# Altium PCB GameBoard_V1I1.PcbDoc (part 3 of 22)
Units mil, origin at the board's own origin, x right, y up, seen from the top; angles counter-clockwise.
Board outline 7165.35 x 2814.96 mil, 12 copper layers (L1, L2, L3, L4, L5 (PWR), L6 (PWR), L7 (PWR), L8 (PWR), L9, L10, L11, L12), stack 61.575 mil thick; 1551 components, 1072 nets, 5467 pads, 3785 vias.
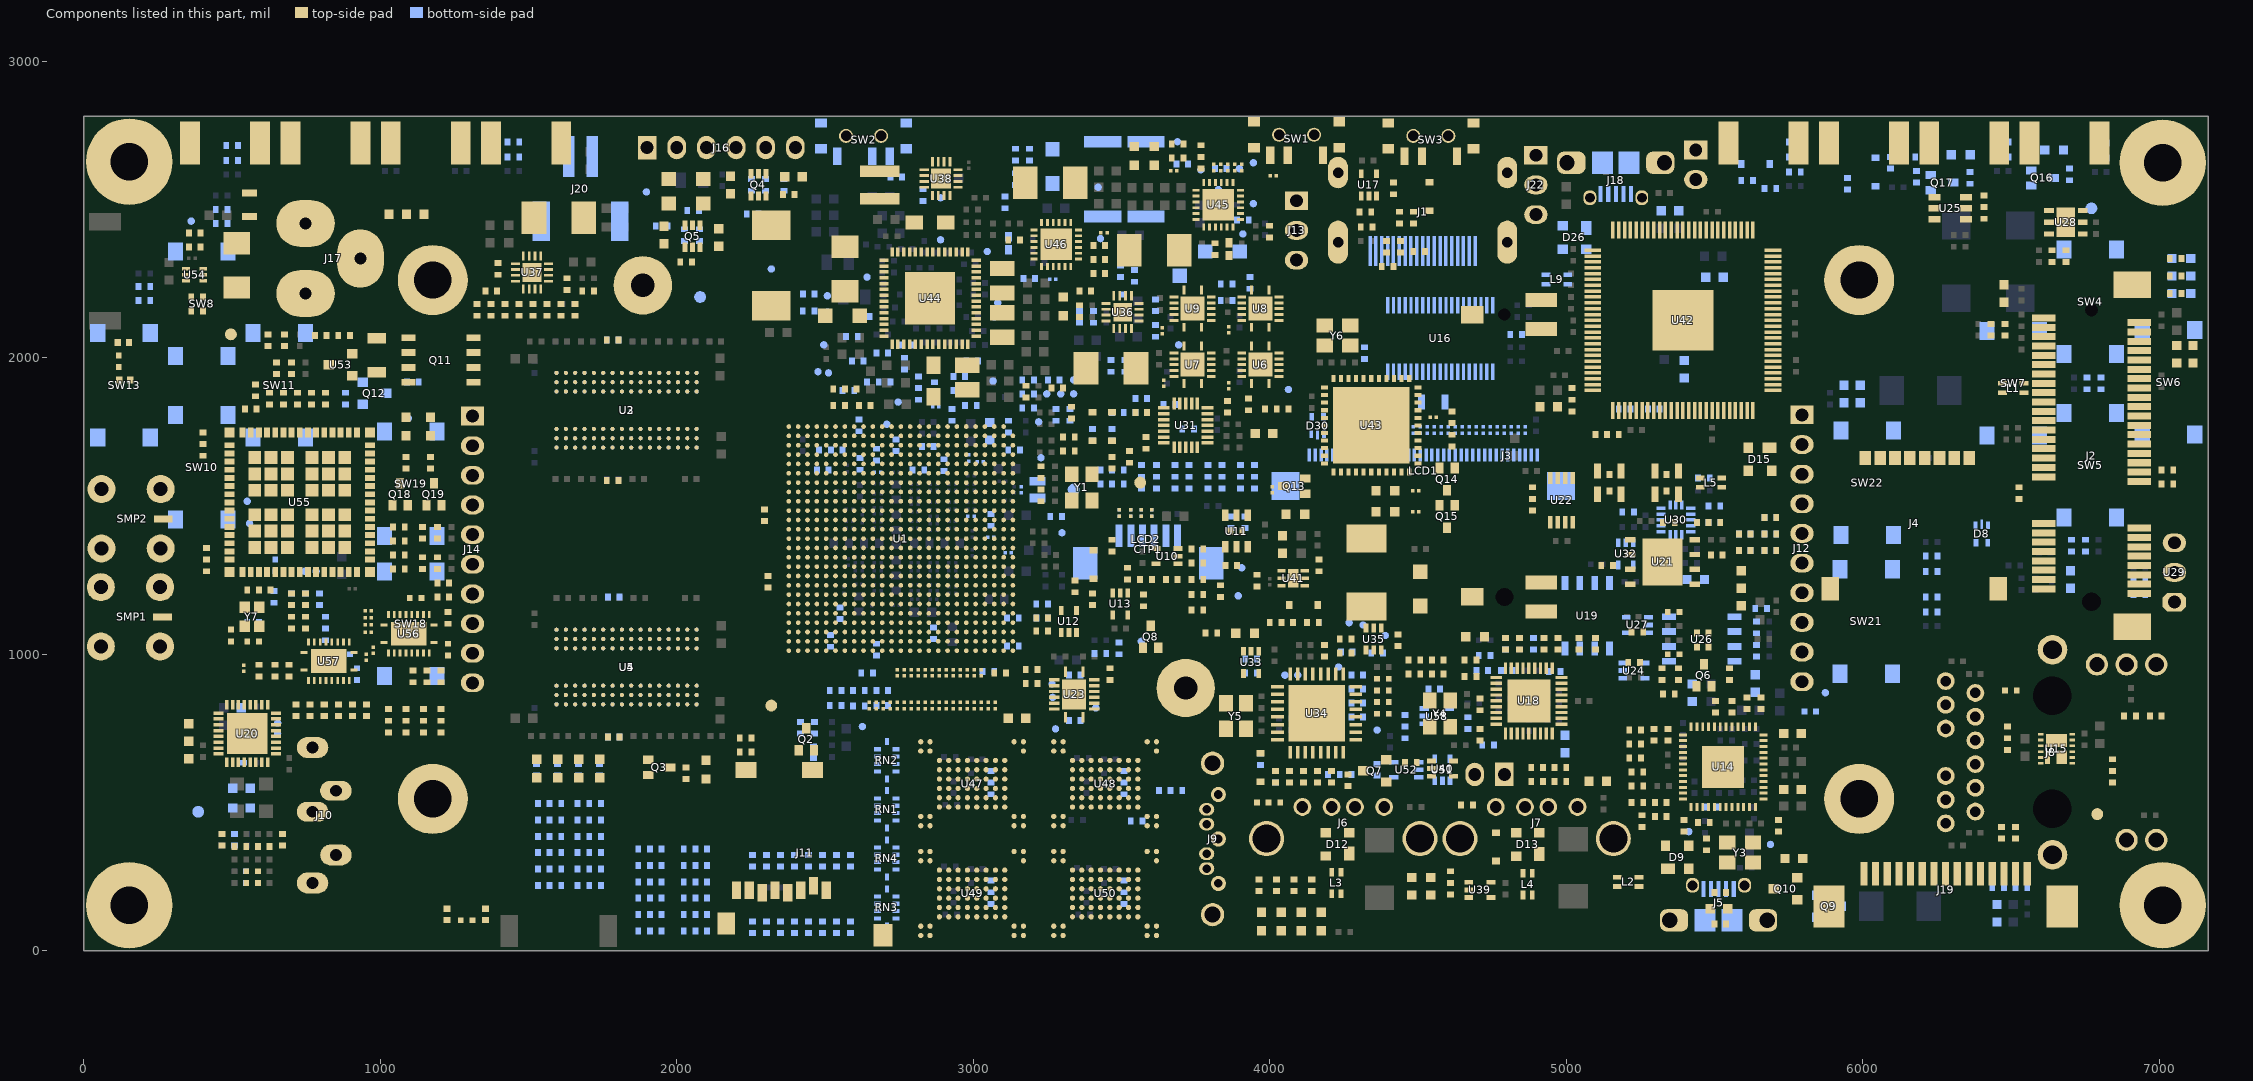
[diagram p13: the components of this part, seen from the top]

## Components (designator, comment, footprint, x,y, rotation, side; value= is the part's Value field where it differs from the comment) (continued)
C527 "1u" C0402 645.67,1299.21 r270 bottom value=1uF
C528 "100n" C0402 570.87,1043.31 r180 top value=100nF
C529 "100n" C0402 1228.35,1015.75 r270 top value=100nF
C530 "100n" C0402 1119.09,1188.98 r180 top value=100nF
C531 "100n" C0402 921.26,933.07 r270 bottom value=100nF
C532 "100n" C0402 877.95,1000 r180 bottom value=100nF
C533 "1pF" C0402 1291.34,102.36 r0 top
C534 "2.4pF" C0402 118.11,1988.19 r90 top
CR1 "Mini PCIe Card" "MINI_PCIE_FULL CARD" 6771.65,2259.84 r180 top locked
CR2 "Micro SIM Card" MICRO_SIM_CARD 5862.2,1118.11 r90 top
CR3 "Micro SD Card" MICRO_SD_CARD 2492.13,545.28 r0 top
CTP1 "0527930670" 522710479 3590.55,1259.84 r180 bottom locked
D1 "RB751V-40-TP" SOD323 3468.5,1767.72 r90 top
D2 "RB751V-40-TP" SOD323 3401.57,1767.72 r90 top
D3 "RB751V-40-TP" SOD323 3405.51,1303.15 r270 top locked
D4 "BAT54HT1G" SOD323 4539.37,2543.31 r90 top
D5 "Green" LED_0603 7074.8,2216.54 r0 bottom
D6 "Green" LED_0603 7074.8,2275.59 r0 bottom
D7 "Green" LED_0603 7074.8,2334.65 r0 bottom
D8 "BZA956A,115" SOT665 6401.57,1405.51 r270 bottom
D9 "BGX50AE6327" SOT143 5374.02,314.96 r90 top locked
D10 "PGB1010603MR" C0603 5515.75,141.73 r0 top
D11 "Orange" LED_0603 4692.91,1059.06 r180 top
D12 "BGX50AE6327" SOT143 4228.78,358.7 r180 top
D13 "BGX50AE6327" SOT143 4870.08,358.27 r180 top locked
D14 "Orange" LED_0603 2098.43,610.24 r90 top
D15 "BGX50AE6327" SOT143 5653.54,1657.48 r270 top locked
D16 "PGB1010603MR" C0603 2181.1,2582.68 r270 top
D17 "PGB1010603MR" C0603 2393.7,2610.24 r0 top
D18 "MBR140SFT1G" SOD-123FL 2031.5,2602.36 r180 top
D19 "MBR140SFT1G" SOD-123FL 2031.5,2519.68 r180 top
D20 "PGB1010603MR" C0603 2141.73,2405.51 r90 top
D21 "PGB1010603MR" C0603 1956.69,2413.39 r270 top
D22 "Orange" LED_0603 3917.32,1070.87 r0 top
D23 "RB751V-40-TP" SOD323 3968.5,618.11 r270 top
D24 "S8MC-13" SMC 2318.9,2311.02 r90 top locked
D25 "RB751V-40-TP" SOD323 4763.78,350.39 r90 top
D26 "BGX50AE6327" SOT143 5027.56,2405.51 r180 bottom locked
D27 "MBR140SFT1G" SOD-123FL 4507.87,1220.47 r270 top
D28 "1N4148WS" SOD323 4113.42,1165.35 r0 top
D29 "Green" LED_0603 4086.61,1472.44 r0 top
D30 "BZA956A,115" SOT665 4161.42,1771.65 r90 bottom
D31 "Red" LED_0603 4389.76,1551.18 r180 top
D32 "Green" LED_0603 4389.76,1480.31 r180 top
D33 "Red" LED_0603 4173.23,98.43 r270 top locked
D34 "Red" LED_0603 4106.3,98.43 r270 top
D35 "Red" LED_0603 4039.37,98.43 r270 top
D36 "Red" LED_0603 3972.44,98.43 r270 top
D37 "Red" LED_0603 1527.56,614.17 r90 top
D38 "Red" LED_0603 1598.43,614.17 r90 top
D39 "Red" LED_0603 1669.29,614.17 r90 top
D40 "Red" LED_0603 1740.16,614.17 r90 top
D41 "Green" LED_0603 6645.67,2700.79 r180 bottom
D42 "Orange" LED_0603 6330.71,2685.04 r180 bottom
D43 "RB751V-40-TP" SOD323 6043.31,2625.98 r90 bottom
D44 "RB751V-40-TP" SOD323 5637.8,2653.54 r180 bottom
D45 "MBR140SFT1G" SOD-123FL 2559.06,2141.73 r0 top
D46 "B130LAW-7-F" SOD-123FL 3840.7,2358.27 r180 bottom
D47 "ZLLS350TA" SOD-523 3862.2,2366.14 r90 top
D48 "B130LAW-7-F" SOD-123FL 3696.85,2334.65 r270 bottom
D49 "Green" LED_0603 3543.31,2681.1 r90 top
D50 "Green" LED_0603 3610.24,2681.1 r90 top
D51 "Red" LED_0603 3303.15,2173.23 r270 top
D52 "B130LAW-7-F" SOD-123FL 3267.72,2645.67 r90 bottom
D53 "ZLLS350TA" SOD-523 3118.11,2385.83 r270 bottom
D54 "Green" LED_0603 1086.61,1767.72 r90 top
D55 "Orange" LED_0603 1169.29,1767.72 r90 top
FB1 "220R, 2.5A" C0603 3055.12,1751.97 r270 bottom
FB2 "BLM15AX300SN1D 30R / 1.1A" C0402 6500,877.95 r0 top
FB3 "BLM18KG101TN1D" C0603 5637.8,901.57 r270 bottom
FB4 "BLM18KG101TN1D" C0603 5763.78,732.28 r180 top
FB5 "BLM15AX601SN1D" C0402 5822.83,807.09 r180 bottom
FB6 "BLM18KG101TN1D" C0603 5425.2,870.08 r270 bottom
FB7 "BLM18KG101TN1D" C0603 5763.78,543.31 r180 top
FB8 "220R, 2.5A" C0603 6476.38,2216.54 r270 top
FB9 "220R, 2.5A" C0603 6700.79,1251.97 r270 bottom
FB10 "220R, 2.5A" C0603 7114.17,2011.81 r90 top
FB11 "220R, 2.5A" C0603 7059.06,2011.81 r90 top
FB12 "MPZ1608S601A 600OHM/1A" C0603 4996.06,696.85 r90 bottom
FB13 "MPZ1608S601A 600OHM/1A" C0603 4543,217 r90 top
FB14 "MPZ1608S601A 600OHM/1A" C0603 4479,217 r90 top
FB15 "MPZ1608S601A 600OHM/1A" C0603 5106.3,570.87 r0 top
FB16 "MPZ1608S601A 600OHM/1A" C0603 531.5,547.24 r180 bottom
FB17 "MPZ1608S601A 600OHM/1A" C0603 354.33,677.17 r90 top
FB18 "MPZ1608S601A 600OHM/1A" C0603 354.33,736.22 r90 top
FB19 "MPZ1608S601A 600OHM/1A" C0603 530.71,789.8 r90 bottom
FB20 "MPZ1608S601A 600OHM/1A" C0603 531.5,481.3 r180 bottom
FB21 "BLM15AX601SN1D" C0402 548.15,248.19 r270 top
FB22 "BLM15AX601SN1D" C0402 587.52,248.19 r270 top
FB23 "BLM15AX601SN1D" C0402 547.24,248.03 r270 bottom
FB24 "220R, 2.5A" C0603 5590.55,1192.91 r270 top
FB27 "220R, 2.5A" C0603 5992.13,1877.95 r90 bottom
FB28 "220R, 2.5A" C0603 5590.55,1251.97 r90 top
FB31 "220R, 2.5A" C0603 5937.01,1877.95 r90 bottom
FB32 "BLM15AX601SN1D" C0402 5362.2,1000 r180 top
FB33 "BLM15AX601SN1D" C0402 5362.2,1141.73 r180 top
FB34 "MPZ1608S601A 600OHM/1A" C0603 3980.31,1744.09 r180 top
FB35 "MPZ1608S601A 600OHM/1A" C0603 5437.01,1251.97 r180 bottom
FB36 "BLM15AX601SN1D" C0402 4015.75,500 r180 top
FB37 "BLM15AX601SN1D" C0402 3976.38,500 r0 top
FB38 "120R, 1.3A" C0402 4381.89,799.21 r0 top
FB39 "120R, 1.3A" C0402 4381.89,838.58 r0 top
FB40 "120R, 1.3A" C0402 4381.89,877.95 r0 top
FB41 "120R, 1.3A" C0402 4381.89,917.32 r0 top
FB42 "220R, 2.5A" C0603 5767.72,311.02 r180 top locked
FB43 "MPZ1608S601A 600OHM/1A" C0603 4043.31,1370.08 r90 top
FB44 "220R, 2.5A" C0603 5350.39,2496.06 r180 bottom
FB45 "220R, 2.5A" C0603 5500,2271.65 r0 bottom
FB46 "220R, 2.5A" C0603 5397.64,1961 r90 bottom
FB47 "220R, 2.5A" C0603 4940.94,1834.65 r0 top
FB48 "220R, 2.5A" C0603 6452.76,125.98 r90 bottom
FB49 "MPZ1608S601A 600OHM/1A" C0603 3147.64,783.46 r0 top
FB50 "MPZ1608S601A 600OHM/1A" C0603 1059.06,2484.25 r0 top
FB51 "MPZ1608S601A 600OHM/1A" C0603 1118.11,2484.25 r180 top
FB52 "120R, 1.3A" C0402 496.06,1062.99 r90 top
FID1 "FID_1MM_SMALL" FID_40X52D 2330.71,838.58 r90 top
FID2 "FID_1MM_SMALL" FID_40X52D 6803.15,472.44 r90 top
FID3 "FID_1MM_SMALL" FID_40X52D 3574.8,1590.55 r90 top
FID4 "FID_1MM_SMALL" FID_40X52D 507.87,2090.55 r90 top
FID5 "FID_1MM_SMALL" FID_40X52D 374.02,480.32 r90 bottom
FID6 "FID_1MM_SMALL" FID_40X52D 3326.77,1566.93 r90 bottom
FID7 "FID_1MM_SMALL" FID_40X52D 6759.84,2515.75 r90 bottom
FID8 "FID_1MM_SMALL" FID_40X52D 2066.93,2216.54 r90 bottom
J1 "47151-0001" "HDMI V1.1" 4515.75,2492.13 r90 bottom
J2 "MM60-52B1-E1-R650" MINI_PCIE_52PIN_CARD_CON 6771.65,1177.17 r180 top locked
J3 "MM60-EZH059-B5-R650" MINI_PCIE_52PIN_CARD_LATCH 4791.34,1192.91 r180 top locked
J4 "693022010811" SIM_MICRO_HINGED 6173.23,1440.94 r180 top locked
J5 "USB MICRO AB" USB_MICRO_AB 5513.78,102.36 r90 bottom locked
J6 "UE27-AC54-100" USB-A 4248.03,489.76 r0 bottom locked
J7 "UE27-AC54-100" USB-A 4900.39,489.76 r0 bottom locked
J8 "L829-1J1T-43" L829-1J1T-43 6685.04,669.29 r90 bottom locked
J9 "0471554001" SATA_VERTICAL 3826.77,526.77 r90 top locked
J10 "SJ1-3535NG-GR" SJ1-3535NG 807.09,228.35 r90 bottom
J11 "693071010811" 693071010811 2433.07,330.71 r180 top locked
J12 "SSW-110-01-F-S" SSW-110-01-F-S 5795.28,1807.09 r180 bottom locked
J13 "TLW-103-06-T-S" HDR_1X3_2.54MM 4090.55,2529.13 r180 bottom
J14 "SSW-110-01-F-S" SSW-110-01-F-S 1311.02,1803.15 r180 bottom
J16 "HDR 1x6, 2.54mm" HDR_1X6_2.54MM 1900,2708.66 r270 bottom
J17 "PJ-002AH" POWER_JACK_5.5_2.1MM_NS_V1.1 748.03,2216.54 r180 bottom locked
J18 "USB MICRO AB" USB_MICRO_AB 5167.32,2657.48 r270 bottom locked
J19 "1-84952-5" ZIF_RA_BOTTOM_15X1MM 6279.53,204.72 r0 top locked
J20 "S2B-PH-SM4-TB" S2B-PH-SM4-TB 1836.61,2393.7 r180 bottom
J22 "TLW-103-06-T-S" HDR_1X3_2.54MM 4897.64,2682.68 r180 bottom
JP2 "HDR 1x2" HDR_1X2_2.54MM 4791.34,594.49 r90 bottom
JP3 "HDR 1x2" HDR_1X2_2.54MM 5437.01,2700.79 r0 top
L1 "ACM2012-900-2P-T002" ACM2012 6507.87,1897.64 r180 top
L2 "ACM2012-900-2P-T002" ACM2012 5208.66,232.28 r180 top
L3 "ACM2012-900-2P-T002" ACM2012 4224.41,228.35 r270 top
L4 "ACM2012-900-2P-T002" ACM2012 4870.08,224.41 r90 top locked
L5 "ACM2012-900-2P-T002" ACM2012 5488.19,1578.74 r180 top
L6 "1u" IHLP_204MILX216MIL 3464.57,1964.57 r180 top locked
L7 "1u" IHLP_204MILX216MIL 1602.36,2472.44 r0 top
L8 "2.2uH / 8A" XFL4020-222MEC 2685.04,2582.68 r270 top
L9 "ACM2012-900-2P-T002" ACM2012 4968.5,2263.78 r180 bottom
L10 "10uH" IHLP_255MILX255MIL 4326.77,1275.59 r270 top
L11 "1u / 3.9A" IHLP_118MILX144MIL 2866.14,1921.26 r270 top
L12 "1u / 3.9A" IHLP_118MILX144MIL 2854.33,2456.69 r180 top
L13 "1u / 2.6A" IFSC_79MILX98MIL 2980.32,1933.07 r90 top
L14 "1u / 2.6A" IFSC_79MILX98MIL 3098.43,2110.24 r270 top
L15 "1u / 2.6A" IFSC_79MILX98MIL 3098.43,2259.84 r90 top
L16 "2u2 / 2.75A" IHLP_160MILX175MIL 2566.93,2299.21 r270 top
L17 "1u" IHLP_204MILX216MIL 3610.24,2362.2 r180 top locked
L18 "1u" IHLP_204MILX216MIL 3259.84,2590.55 r0 top
L19 "2u2 / 2.75A" IHLP_160MILX175MIL 515.75,2311.02 r90 top
L20 "1.8nH" LQP_0402 1224.41,122.05 r90 top
L21 "1.3nH" LQP_0402 1354.33,122.05 r90 top
L22 "2.2nH" LQP_0402 137.8,1925.2 r0 top
L23 "1.8nH" LQP_0402 133.86,2051.18 r0 top
LCD1 "0541324062" 0541324062 4517.72,1612.2 r180 bottom locked
LCD2 "NHD-4.3-480272MB-ASXN-CTP" NHD-4.3-480272MB-ASXN-CTP 3582.68,1386.81 r180 bottom locked
MH1 "MH_7.4MMC_3.2MMD" MH_7.4MMD_3.2MMD 153.54,2661.42 r0 top
MH2 "MH_7.4MMC_3.2MMD" MH_7.4MMD_3.2MMD 7011.81,2657.48 r0 top
MH3 "MH_7.4MMC_3.2MMD" MH_7.4MMD_3.2MMD 153.54,153.54 r0 top
MH4 "MH_7.4MMC_3.2MMD" MH_7.4MMD_3.2MMD 7011.81,153.54 r0 top
MH5 "MH_5MMC_2MMD" MH_5MMD_2MMD 3716.54,885.83 r0 top locked
MH6 "MH_5MMC_2MMD" MH_5MMD_2MMD 1885.83,2244.09 r0 top locked
Q2 "2N7002BKW,115" SC70_SOT323 2437.01,712.6 r90 top
Q3 "2N7002BKW,115" SC70_SOT323 1940.95,618.11 r0 top
Q4 "2N7002BKS,115" SOT363 2275.59,2582.68 r90 top
Q5 "2N7002BKS,115" SOT363 2053.15,2409.45 r90 top
Q6 "2N7002BKW,115" SC70_SOT323 5464.57,929.13 r90 top
Q7 "MMBT3906,215" SOT-23-3-123 4354.33,606.3 r180 top locked
Q8 "2N7002BKW,115" SC70_SOT323 3598.43,1059.06 r90 top
Q9 "DMP2035U-7" SOT-23-3-123 5886.22,149.61 r0 bottom
Q10 "DMP2035U-7" SOT-23-3-123 5740.16,208.66 r180 top
Q11 "SI4425BDY-T1-E3" 8_SOIC_3.9MM 1204.72,1992.13 r0 top locked
Q12 "MMBT3906,215" SOT-23-3-123 980.32,1879.92 r0 bottom
Q13 "2N7002BKW,115" SC70_SOT323 4082.68,1566.93 r180 top
Q14 "2N7002BKW,115" SC70_SOT323 4598.43,1590.55 r270 top
Q15 "2N7002BKW,115" SC70_SOT323 4598.43,1464.57 r270 top
Q16 "2N7002BKW,115" SC70_SOT323 6606.3,2606.3 r0 bottom
Q17 "2N7002BKW,115" SC70_SOT323 6267.72,2590.55 r0 bottom
Q18 "2N7002BKW,115" SC70_SOT323 1066.93,1539.37 r90 top
Q19 "2N7002BKW,115" SC70_SOT323 1181.1,1539.37 r90 top
R1 "240R" R0402 1783.46,1586.61 r180 top
R2 "240R" R0402 1783.46,2059.06 r180 bottom
R3 "10k" R0402 2295.28,1468.5 r90 top
R4 "10k" R0402 2492.13,1622.05 r0 bottom
R5 "240R" R0402 2307.09,1244.09 r270 top
R6 "240R" R0402 1787.4,720.47 r180 top
R7 "240R" R0402 1787.4,1192.91 r180 bottom
R8 "240R" R0402 2460.63,669.29 r270 bottom
R9 "200R" R0402 1787.4,720.47 r180 bottom
R10 "200R" R0402 1783.46,2059.06 r180 top
R11 "240R" R0402 2464.57,751.97 r270 bottom
R12 "0R" R0402 2992.13,1838.58 r0 bottom
R13 "0R" R0402 3137.8,1688.98 r180 bottom
R14 "10k" R0402 6527.56,1543.31 r270 top
R15 "200R" R0402 3118.11,1767.72 r270 bottom
R16 "49R9" R0402 3322.83,1732.28 r180 top value=49.9R
R17 "49R9" R0402 3322.83,1685.04 r180 top value=49.9R
R18 "0R" R0402 2539.37,1688.98 r180 bottom
R19 "10k" R0402 2866.14,1070.87 r90 bottom
R20 "47k" R0402 4318.9,2015.75 r270 bottom
R21 "47k" R0402 3330.71,1814.96 r270 top
R22 "0R" R0402 2814.96,1622.05 r0 bottom
R23 "1k6" R0402 3283.46,1897.64 r180 top
R24 "0R" R0402 2547.24,1838.58 r0 top
R25 "0R" R0402 2952.76,1889.76 r0 bottom
R26 "4k99" R0402 3177.17,1885.83 r270 top
R27 "0R" R0402 2846.46,1700.79 r180 bottom
R28 "1k6" R0201 2874.02,1834.65 r0 bottom
R29 "0R" R0402 2952.76,1937.01 r180 bottom
R30 "10k" R0201 3862.2,1905.51 r90 top
R31 "10k" R0201 3641.73,1913.39 r90 top
R32 "0R" R0402 2618.11,1641.73 r270 bottom
R33 "10k" R0201 3862.2,2094.49 r90 top
R34 "100k" R0402 4003.94,1826.77 r0 top
R35 "100k" R0402 4043.31,1826.77 r180 top
R36 "10k" R0201 3637.8,2090.55 r90 top
R37 "22R" R0402 3232.28,1078.74 r0 top
R38 "0R" R0402 2551.18,1137.8 r270 bottom
R39 "0R" R0402 2929.13,1807.09 r90 bottom
R40 "0R" R0402 3059.06,1452.76 r270 bottom
R41 "191R" R0201 3118.11,1342.52 r180 bottom
R42 "22R" R0402 3051.18,940.94 r180 bottom
R43 "10k" R0201 952.76,989.57 r270 top
R44 "22R" R0402 2673.23,1015.75 r270 bottom
R45 "10k" R0402 3460.63,933.07 r90 top
R46 "10k" R0402 3566.93,1814.96 r0 bottom
R47 "10k" R0402 2641.73,937.01 r180 bottom
R48 "4k99" R0402 3090.55,937.01 r0 top
R49 "10k" R0402 3755.91,1149.61 r0 top
R50 "10k" R0402 3645.67,539.37 r180 bottom
R51 "10k" R0402 4433.07,1047.24 r90 top
R52 "10k" R0402 3232.76,1122.05 r0 bottom
R53 "10k" R0402 2232.28,716.54 r180 top
R54 "10k" R0402 2633.86,1838.58 r180 top
R55 "22R" R0402 3133.86,1122.05 r0 bottom
R56 "22R" R0402 3133.86,1027.56 r0 bottom
R57 "22R" R0402 2740.16,1704.72 r270 bottom
R58 "22R" R0402 2673.23,1673.23 r270 bottom
R59 "4k99" R0402 5602.36,1405.51 r180 bottom
R60 "4k99" R0402 5602.36,1350.39 r180 bottom
R61 "4k99" R0402 1212.6,1240.16 r180 top
R62 "4k99" R0402 1212.6,1192.91 r180 top
R63 "4k99" R0402 4614.17,1799.21 r90 top
R64 "4k99" R0402 4614.17,1720.47 r270 top
R65 "10k" R0402 5346.46,866.14 r0 top
R66 "10k" R0402 3279.53,1464.57 r0 bottom
R67 "22R" R0402 3326.77,1807.09 r90 bottom
R68 "100k" R0402 3468.5,1740.16 r90 bottom
R69 "100k" R0402 3401.57,1740.16 r90 bottom
R70 "10k" R0402 2535.43,826.77 r180 bottom
R71 "10k" R0402 2614.17,825 r0 bottom
R72 "10k" R0402 2692.91,827.49 r180 bottom
R73 "1k" R0402 2518.98,1044.94 r90 bottom
R74 "10k" R0402 2535.43,877.95 r0 bottom
R75 "10k" R0402 2614.17,877.95 r180 bottom
R76 "10k" R0402 2692.91,877.95 r0 bottom
R77 "10M" R0402 3228.35,1614.17 r90 top
R78 "10M" R0201 3161.42,1555.12 r270 bottom
R79 "2M2" R0402 3228.35,1535.43 r270 top
R80 "4k99" R0201 2992.13,1464.57 r180 bottom
R81 "4k99" R0402 3488.19,1574.8 r0 bottom
R82 "4k99" R0402 3488.19,1622.05 r0 bottom
R83 "0R" R0402 570.87,1216.54 r0 top
R84 "4k99" R0201 3059.06,1393.7 r180 bottom
R85 "10k" R0402 3448.82,1574.8 r0 bottom
R86 "10k" R0402 3448.82,1622.05 r0 bottom
R87 "10k" R0402 3755.91,1251.97 r0 top
R88 "10k" R0402 3669.29,1251.97 r180 top
R89 "10k" R0402 3574.8,1181.1 r270 top
R90 "4k99" R0402 3870.08,1444.88 r270 bottom
R91 "10k" R0402 3870.08,1299.21 r0 top
R92 "10k" R0402 3232.28,1169.29 r0 bottom
R93 "0R" R0402 3755.91,1307.09 r180 top
R94 "0R" R0402 3755.91,1354.33 r180 top
R95 "10k" R0402 3917.32,1444.88 r90 bottom
R96 "0R" R0402 3468.5,1366.14 r270 top
R97 "10k" R0402 3582.68,1251.97 r0 top
R98 "0R" R0402 3232.28,1122.05 r0 top
R99 "0R" R0402 3887.8,1415.35 r0 top
R100 "0R" R0402 3468.5,1645.67 r270 top
R101 "10k" R0402 3342.52,1228.35 r270 top
R102 "0R" R0402 3527.56,1665.35 r270 top
R103 "1k" R0201 2984.25,1661.42 r270 bottom
R104 "10k" R0402 3185.04,1830.71 r180 bottom
R105 "10k" R0402 3185.04,1925.2 r180 bottom
R106 "10k" R0402 3185.04,1877.95 r180 bottom
R107 "0R" R0402 3519.69,1271.65 r270 top
R108 "0R" R0402 3834.65,1212.6 r270 top
R109 "22R" R0402 3271.65,1925.2 r0 bottom
R110 "0R" R0402 3755.91,1200.79 r180 top
R111 "22R" R0402 3279.53,1807.09 r90 bottom
R112 "0R" R0402 3401.57,1185.04 r270 top
R113 "0R" R0402 2578.74,1889.76 r0 bottom
R114 "0R" R0402 2901.57,1637.8 r90 bottom
R115 "0R" R0402 3429.13,1002.95 r0 bottom
R116 "0R" R0402 3492.13,1019.68 r270 bottom
R117 "0R" R0402 6842.52,625.98 r270 top
R118 "0R" R0402 6842.52,586.61 r270 top
R119 "0R" R0402 6488.19,696.85 r90 top
R120 "220R" R0402 5610.24,834.65 r90 top
R121 "220R" R0402 5559.06,822.83 r90 top
R122 "0R" R0402 6488.19,736.22 r270 top
R123 "22R" R0402 5472.44,358.27 r270 top
R124 "22R" R0402 5240.16,602.36 r0 top
R125 "12k1" R0402 5716.54,421.26 r270 top
R126 "22R" R0402 5318.9,500 r0 top
R127 "22R" R0402 5318.9,452.76 r0 top
R128 "4k99" R0402 5240.16,500 r180 top
R129 "1k" R0402 5255.91,437.01 r270 top
R130 "4k99" R0402 5397.64,421.26 r270 top
R131 "10k" R0402 5488.19,484.25 r180 bottom
R132 "10k" R0402 5232.28,649.61 r180 top
R133 "10k" R0402 5503.94,822.83 r90 top
R134 "10k" R0402 5342.52,728.35 r90 top
R135 "10k" R0402 5295.28,728.35 r90 top
R136 "10k" R0402 5232.28,744.09 r180 top
R137 "10k" R0402 5232.28,696.85 r180 top
R138 "1k" R0402 5464.57,433.07 r0 top
R139 "1k" R0402 5240.16,555.12 r0 top
R140 "1k" R0402 5657.48,834.65 r270 top
R141 "0R" R0402 4830.71,2078.74 r0 bottom
R142 "0R" R0402 4437.01,2472.44 r90 top
R143 "0R" R0402 4440.94,2374.02 r270 top
R144 "0R" R0402 4393.7,2374.02 r270 top
R145 "15k" R0402 4326.77,2440.94 r0 top
R146 "4k99" R0402 4397.64,2307.09 r180 top
R147 "4k99" R0402 4503.94,2358.27 r0 top
R148 "27k" R0402 4484.25,2472.44 r270 top
R149 "47k" R0402 4322.83,2492.13 r180 top
R150 "0R" R0402 4417.32,2570.87 r90 top
R151 "10k" R0402 6933.07,1200.79 r180 bottom
R152 "0R" R0402 7027.56,1574.8 r180 top
R153 "0R" R0402 7027.56,1622.05 r180 top
R154 "330R" R0402 7055.12,2216.54 r180 top
R155 "330R" R0402 7055.12,2275.59 r180 top
R156 "330R" R0402 7055.12,2334.65 r180 top
R157 "0R" R0402 4901.57,570.87 r180 top
R158 "0R" R0402 5318.9,1606.3 r0 top
R159 "0R" R0402 5358.27,1606.3 r0 top
R160 "0R" R0402 4940.94,570.87 r0 top
R161 "0R" R0805_SMALL 5338.58,1618.11 r0 top
R162 "0R" R0402 4980.32,570.87 r180 top
R163 "0R" R0805_SMALL 5338.58,1539.37 r180 top
R164 "0R" R0402 4901.57,618.11 r180 top
R165 "0R" R0402 5318.9,1551.18 r0 top
R166 "0R" R0402 5358.27,1551.18 r0 top
R167 "0R" R0402 4940.94,618.11 r0 top
R168 "0R" R0402 4980.32,618.11 r180 top
R169 "0R" R0402 4566.93,933.07 r0 top
R170 "0R" R0402 4527.56,933.07 r180 top
R171 "0R" R0402 4488.19,933.07 r0 top
R172 "0R" R0402 4566.93,980.31 r0 top
R173 "10k" R0402 5519.69,196.85 r0 top
R174 "0R" R0402 4527.56,980.31 r180 top
R175 "0R" R0402 4488.19,980.31 r0 top
R176 "10k" R0402 5519.69,90.55 r180 top
R177 "0R" R0402 5165.35,1606.3 r180 top
R178 "0R" R0402 5125.98,1606.3 r180 top
R179 "0R" R0805_SMALL 5145.67,1618.11 r180 top
R180 "0R" R0805_SMALL 5145.67,1539.37 r0 top
R181 "0R" R0402 5165.35,1551.18 r180 top
R182 "0R" R0402 5125.98,1551.18 r180 top
R183 "100k" R0402 4724.41,996.06 r0 bottom
R184 "0R" R0402 4716.54,944.88 r180 bottom
R185 "100k" R0402 4799.21,944.88 r0 bottom
R186 "10k" R0402 4972.44,1035.43 r270 top
R187 "100k" R0402 4889.76,1035.43 r90 bottom
R188 "10k" R0402 4925.2,1035.43 r270 top
R189 "0R" R0402 4795.28,1035.43 r90 bottom
R190 "1k" R0402 4677.17,980.31 r0 top
R191 "100k" R0402 4795.28,1035.43 r270 top
R192 "100k" R0402 4842.52,1035.43 r270 top
R193 "12k" R0402 4708.66,728.35 r270 top
R194 "100k" R0402 4677.17,925.2 r0 top
R195 "100k" R0402 4960.63,940.94 r180 bottom
R196 "1M" R0402 4708.66,830.71 r270 top
R197 "10k" R0402 5098.43,1035.43 r90 top
R198 "10k" R0402 5043.31,1035.43 r90 top
R199 "0R" R0402 6901.57,791.34 r0 top
R200 "0R" R0402 6988.19,791.34 r180 top
R201 "0R" R0402 539.37,653.54 r90 bottom
R202 "15k" R0402 528.46,350.55 r0 top
R203 "15k" R0402 607.2,350.55 r180 top
R204 "33R" R0402 465.47,374.17 r90 top
R205 "33R" R0402 670.2,374.17 r90 top
R206 "2k2" R0402 507.87,374.02 r270 bottom
R207 "10k" R0402 2232.28,669.29 r180 top
R208 "0R" R0402 2814.96,1877.95 r90 bottom
R209 "240R" R0402 2031.5,598.43 r90 top
R210 "10k" R0402 3196.85,901.57 r180 top
R211 "10k" R0402 3196.85,948.82 r180 top
R212 "10k" R0402 5507.87,1334.65 r180 top
R213 "10k" R0402 5137.8,1299.21 r180 top
R214 "10k" R0402 4885.83,1503.94 r270 top
R215 "10k" R0402 4885.83,1543.31 r90 top
R216 "0R" R0402 3342.52,929.13 r180 bottom
R217 "0R" R0402 3342.52,877.95 r180 bottom
R218 "0R" R0402 3342.52,826.77 r0 bottom
R219 "0R" R0402 3342.52,775.59 r180 bottom
R220 "22R" R0402 1145.67,795.28 r270 top
R221 "0R" R0402 1724.41,220.47 r180 bottom
R222 "0R" R0402 5688.98,1405.51 r0 bottom
R223 "0R" R0402 5688.98,1405.51 r0 top
R224 "0R" R0402 5688.98,1350.39 r0 bottom
R225 "0R" R0402 5688.98,1350.39 r0 top
R226 "100k" R0402 4255.91,1003.94 r0 top
R227 "100k" R0402 4456.69,775.59 r270 bottom
R228 "100k" R0402 4259.7,1007.87 r180 bottom
R229 "0R" R0402 1685.04,220.47 r0 bottom
R230 "0R" R0402 1724.41,330.71 r180 bottom
R231 "3k3" R0402 2255.91,2484.25 r0 bottom
R232 "3k3" R0402 2362.2,2582.68 r270 bottom
R233 "3k3" R0402 2377.95,2551.18 r0 top
R234 "0R" R0402 2251.97,2582.68 r90 bottom
R235 "0R" R0402 2299.21,2582.68 r270 bottom
R236 "3k3" R0402 2055.12,2496.06 r180 bottom
R237 "3k3" R0402 2031.5,2322.83 r0 top
R238 "3k3" R0402 1948.82,2444.88 r180 bottom
R239 "0R" R0402 2076.77,2413.39 r270 bottom
R240 "0R" R0402 2025.59,2413.39 r90 bottom
R241 "60R4" R0402 5641.73,1011.81 r90 bottom
R242 "0R" R0402 5229.02,972.44 r0 top
R243 "0R" R0402 6409.45,2488.19 r90 top
R244 "0R" R0402 5657.48,1153.54 r0 bottom
R245 "0R" R0402 6409.45,2527.56 r270 top
R246 "60R4" R0402 5641.73,1090.55 r90 bottom
R247 "240R" R0402 6933.07,1248.03 r180 bottom
R248 "10k" R0402 5322.83,933.07 r270 top
R249 "0R" R0402 5460.63,1023.62 r0 top
R250 "0R" R0402 5240.16,1074.8 r0 top
R251 "0R" R0402 5460.63,1070.87 r0 top
R252 "0R" R0402 5377.95,933.07 r90 top
R253 "10k" R0402 5551.18,933.07 r90 top
R254 "10k" R0402 3661.42,1842.52 r180 bottom
R255 "0R" R0402 5500,1500 r0 bottom
R256 "0R" R0402 3566.93,1862.2 r180 bottom
R257 "0R" R0402 5500,1444.88 r0 bottom
R258 "0R" R0402 3566.93,1814.96 r180 top
R259 "0R" R0402 5346.46,1444.88 r180 top